# Altium PCB CAP_Group.PcbDoc (continued)
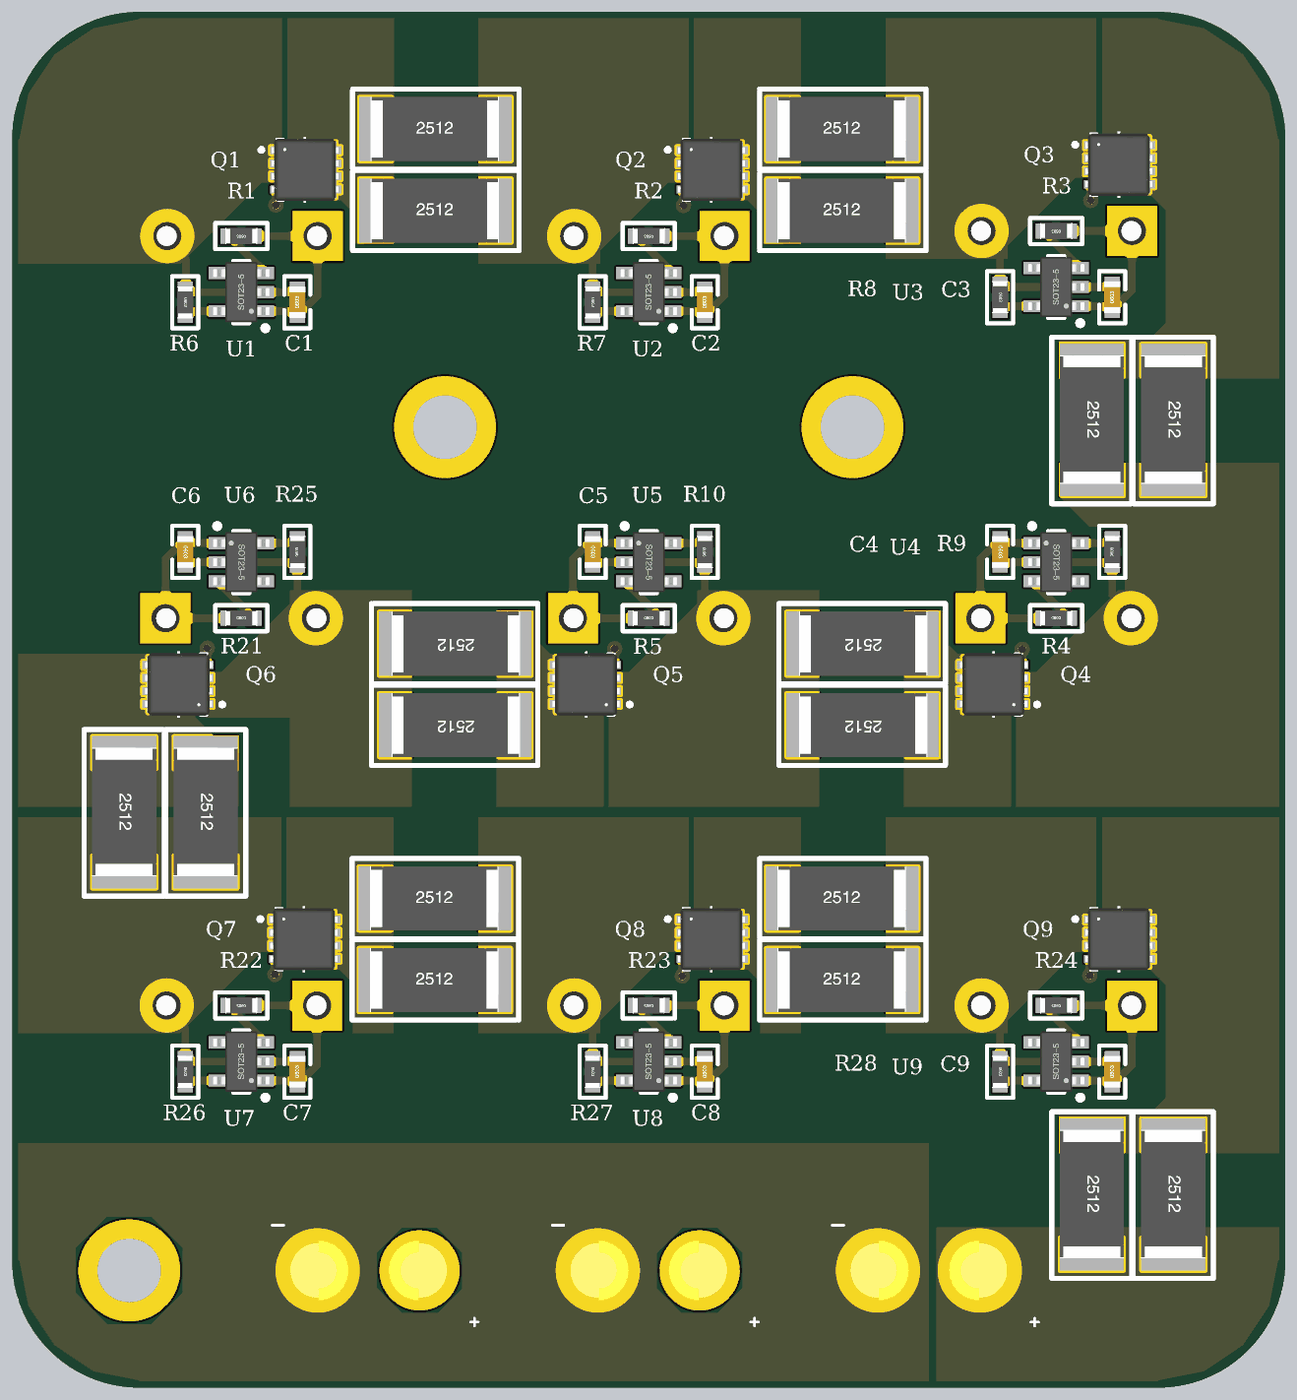
[diagram p5: 3D render of the assembled board from below, using the file's embedded part models]

## Layer stack, top to bottom
Top Solder: solder mask 0.4, Solder Resist, Dk 3.5
Top Layer: signal copper 1.4
Dielectric 2: prepreg 2.8, PP-006, Dk 4.1
VCC: plane copper 1.378
Dielectric 1: dielectric 12.6, FR-4, Dk 4.8
GND: plane copper 1.378
Dielectric 3: prepreg 2.8, PP-006, Dk 4.1
Bottom Layer: signal copper 1.4
Bottom Solder: solder mask 0.4, Solder Resist, Dk 3.5

## Board outline
0,250 ccw(c250,250) 250,0 2250,0 ccw(c2250,250) 2500,250 2500,2450 ccw(c2250,2450) 2250,2700 250,2700 ccw(c250,2450) 0,2450

## Design rules (kind name [scope] priority, off if disabled: settings)
BoardOutlineClearance [All] p1: gap=12 ignorepadtopadclearanceinfootprint=FALSE
Clearance [All] p1: gap=5 ignorepadtopadclearanceinfootprint=TRUE
DiffPairsRouting [All] p1: maxlimit=10 minlimit=3.5 mostfreqgap=5 toplayer_minwidth=3.5 toplayer_maxwidth=15 toplayer_prefwidth=5 bottomlayer_minwidth=3.5 bottomlayer_maxwidth=15 bottomlayer_prefwidth=5 maxuncoupledlength=300
HoleSize [All] p1: absolutevalues=TRUE maxlimit=248.03 minlimit=7.87 maxpercent=80.000 minpercent=20.000
MinimumAnnularRing [All] p1: minimumring=7.87
MinimumSolderMaskSliver [All] p1: minsoldermaskwidth=5.12
PermittedLayers [All] p1: toplayerpermitted=TRUE bottomlayerpermitted=TRUE
PlaneClearance [All] p1: clearance=6
PlaneConnect [All] p1: planeconnectstyle=Direct reliefexpansion=20 reliefentries=4 reliefconductorwidth=10 reliefairgap=10
PolygonConnect [All] p1: connectstyle=Direct reliefconductorwidth=10 reliefentries=4 polygonreliefangle="90 Angle" airgapwidth=10
RoutingVias [All] p1: holewidth=8 width=16 viastyle="Through Hole" minholewidth=7.87 minwidth=11.81 maxholewidth=28 maxwidth=50
SilkToSilkClearance [All] p1: silktosilkclearance=2
SilkToSolderMaskClearance [IsPad] p1: minsilkscreentomaskgap=5.91 clearancetoexposedcopper=TRUE
SolderMaskExpansion [All] p1: expansion=4 istentingtop=FALSE
UnRoutedNet [All] p1: checkbadconnections=TRUE
Width [All] p1: maxlimit=100 minlimit=3.5 preferedwidth=5 checkconnectedcopper=TRUE
22 further rules are at their usual default settings.

## Components (designator, comment, footprint, x,y, rotation, side; value= is the part's Value field where it differs from the comment)
C1 "100nF" C0603_L 1940,2130 r90 bottom
C2 "100nF" C0603_L 1140,2130 r90 bottom
C3 "100nF" C0603_L 340,2140 r90 bottom
C4 "100nF" C0603_L 560,1640 r270 bottom
C5 "100nF" C0603_L 1360,1640 r270 bottom
C6 "100nF" C0603_L 2160,1640 r270 bottom
C7 "100nF" C0603_L 1940,620 r90 bottom
C8 "100nF" C0603_L 1140,620 r90 bottom
C9 "100nF" C0603_L 340,620 r90 bottom
CapA "XT30" XT30-F 700,230 r0 top
CapB "XT30" XT30-F 1250,230 r0 top
CapC "XT30" XT30-F 1800,230 r0 top
CE1 "60F/2.7V" "CE-7.5*18*35.5 - BK" 2048.82,2260 r0 top
CE2 "60F/2.7V" "CE-7.5*18*35.5 - BK" 1250,2260 r0 top
CE3 "60F/2.7V" "CE-7.5*18*35.5 - BK" 450,2270 r0 top
CE4 "60F/2.7V" "CE-7.5*18*35.5 - BK" 450,1510 r180 top
CE5 "60F/2.7V" "CE-7.5*18*35.5 - BK" 1250,1510 r180 top
CE6 "60F/2.7V" "CE-7.5*18*35.5 - BK" 2050,1510 r180 top
CE7 "60F/2.7V" "CE-7.5*18*35.5 - BK" 2050,750 r0 top
CE8 "60F/2.7V" "CE-7.5*18*35.5 - BK" 1250,750 r0 top
CE9 "60F/2.7V" "CE-7.5*18*35.5 - BK" 450,750 r0 top
Q1 "AP2045Q" TDFN33-8 1920,2390 r270 bottom
Q2 "AP2045Q" TDFN33-8 1122,2390 r270 bottom
Q3 "AP2045Q" TDFN33-8 322,2400 r270 bottom
Q4 "AP2045Q" TDFN33-8 578,1380 r90 bottom
Q5 "AP2045Q" TDFN33-8 1378,1380 r90 bottom
Q6 "AP2045Q" TDFN33-8 2178,1380 r90 bottom
Q7 "AP2045Q" TDFN33-8 1922,880 r270 bottom
Q8 "AP2045Q" TDFN33-8 1122,880 r270 bottom
Q9 "AP2045Q" TDFN33-8 322,880 r270 bottom
R1 "1K" R0603_L 2050,2260 r0 bottom
R2 "1K" R0603_L 1250,2260 r0 bottom
R3 "1K" R0603_L 450,2270 r0 bottom
R4 "1K" R0603_L 450,1510 r180 bottom
R5 "1K" R0603_L 1250,1510 r180 bottom
R6 "1K" R0603_L 2160,2129.99 r270 bottom
R7 "1K" R0603_L 1360,2129.99 r270 bottom
R8 "1K" R0603_L 560,2139.99 r270 bottom
R9 "1K" R0603_L 340,1640.01 r90 bottom
R10 "1K" R0603_L 1140,1640.01 r90 bottom
R11 "10//10" R2512_L 1670,2470 r180 bottom
R12 "10//10" R2512_L 871,2470 r180 bottom
R13 "10//10" R2512_L 220,1900 r270 bottom
R14 "10//10" R2512_L 829,1300 r0 bottom
R15 "10//10" R2512_L 1629,1300 r0 bottom
R16 "10//10" R2512_L 1670,2310 r180 bottom
R17 "10//10" R2512_L 871,2310 r180 bottom
R18 "10//10" R2512_L 380,1900 r270 bottom
R19 "10//10" R2512_L 829,1460 r0 bottom
R20 "10//10" R2512_L 1629,1460 r0 bottom
R21 "1K" R0603_L 2050,1510 r180 bottom
R22 "1K" R0603_L 2050,750 r0 bottom
R23 "1K" R0603_L 1250,750 r0 bottom
R24 "1K" R0603_L 450,750 r0 bottom
R25 "1K" R0603_L 1940,1640.01 r90 bottom
R26 "1K" R0603_L 2160,619.99 r270 bottom
R27 "1K" R0603_L 1360,619.99 r270 bottom
R28 "1K" R0603_L 560,619.99 r270 bottom
R29 "10//10" R2512_L 2120,1130 r270 bottom
R30 "10//10" R2512_L 1671,960 r180 bottom
R31 "10//10" R2512_L 871,960 r180 bottom
R32 "10//10" R2512_L 220,380 r270 bottom
R33 "10//10" R2512_L 2280,1130 r270 bottom
R34 "10//10" R2512_L 1671,800 r180 bottom
R35 "10//10" R2512_L 871,800 r180 bottom
R36 "10//10" R2512_L 380,380 r270 bottom
SP1 "M3" "M3 125X200" 1650,1885 r0 top
SP2 "M3" "M3 125X200" 850,1885 r0 top
SP3 "M3" "M3 125X200" 2270,230 r0 top
U1 "BW6106" SOT23-5L 2050,2150 r0 bottom
U2 "BW6106" SOT23-5L 1250,2150 r0 bottom
U3 "BW6106" SOT23-5L 450,2160 r0 bottom
U4 "BW6106" SOT23-5L 450,1620 r180 bottom
U5 "BW6106" SOT23-5L 1250,1620 r180 bottom
U6 "BW6106" SOT23-5L 2050,1620 r180 bottom
U7 "BW6106" SOT23-5L 2050,640 r0 bottom
U8 "BW6106" SOT23-5L 1250,640 r0 bottom
U9 "BW6106" SOT23-5L 450,640 r0 bottom

## Footprints (in the part's own frame and the unit in brackets; to place one, negate y for a bottom-side part, rotate by r counter-clockwise, add the part's x,y. Pads: shape width x height; smd on the part's side, far side on the other; paste and mask are expansions set on the pad)
C0603_L [mil] "贴片MLCC电容"
  rect 30x30 smd: 1(-25.59,0) 2(25.59,0)
  silkscreen extent -51,-26 51,26, body extent -31,-16 32,16, height 33
"CE-7.5*18*35.5 - BK" [mm] "直插电解电容-脚距7.5mm直径18mm高度35.5mm"
  rect 2.5x2.5 hole 1.4: 1(-3.78,0)
  round 2.5 hole 1.4: 2(3.72,0)
  silkscreen extent -9.45,-9.21 9.45,9.18, body extent -9,-9 9.01,9, height 35.76
"M3 125X200" [mil] "M3螺丝孔，孔125Mil，焊盘200Mil"
  round 200 hole 125: 1(0,0)
R0603_L [mil] "1/10W贴片电阻"
  rect 30x30 smd: 1(-25.59,0) 2(25.59,0)
  silkscreen extent -51,-26 51,26, body extent -31,-16 32,16, height 16
R2512_L [mm] "1W贴片电阻                淘宝ID:黄晶宝石"
  rect 1.65x3.2 smd: 1(-2.95,0) 2(3,0)
  silkscreen extent -4.1,-2 4.2,2, body extent -3.2,-1.6 3.2,1.6, height 0.55
SOT23-5L [mm] "SOT23, 5-Leads, Body 2.9x1.6mm, Pitch 0.95mm, IPC High Density                联系卖家 免费查找封装"
  rect 0.85x0.6 smd: 1(-1.2,0.95) 2(-1.2,0) 3(-1.2,-0.95) 4(1.2,-0.95) 5(1.2,0.95)
  silkscreen extent -1.32,-1.55 0.4,1.92, body extent -1.4,-1.5 1.4,1.5, height 1.15
TDFN33-8 [mm]
  rect 0.4x0.6 smd: 1(-0.975,-1.563) 2(-0.325,-1.563) 3(0.325,-1.563) 4(0.975,-1.563)
  rect 0.4x0.25 smd: 5(0.975,1.563) 6(0.325,1.563) 7(-0.325,1.563) 8(-0.975,1.563)
  rect 2.85x2.35 smd: 9(0,0.262)
  silkscreen extent -1.55,-2.4 1.55,-1.2, body extent -1.65,-1.8 1.65,1.55, height 0.8
XT30-F [mm]
  round 4 hole 2.7: 1(-2.54,0) 2(2.54,0)
  silkscreen extent -5.1,-2.6 5.11,2.6, body extent -5.1,-2.6 5.1,2.6, height 9.4

## Part data
C1 C2 C3 C4 C5 C6 C7 C8 C9: library part C, "贴片电容", BOM名称=无极性贴片电容, 联系卖家，免费查找封装=唯一出售店铺网址https://shop463601444.taobao.com
CE1 CE2 CE3 CE4 CE5 CE6 CE7 CE8 CE9: library part CE, "直插电解电容", BOM名称=直插电解电容, 联系卖家，免费查找封装=唯一出售店铺网址https://shop463601444.taobao.com
Q1 Q2 Q3 Q4 Q5 Q6 Q7 Q8 Q9: "Trans MOSFET P-CH 20V 65A 8-Pin PDFN EP T/R", Arrow Part Number="TSM085P03CV RGG", Manufacturer_Name="Taiwan Semiconductor", Mouser Part Number=821-TSM085P03CVRGG, Arrow Price/Stock=https://www.arrow.com/en/products/tsm085p03cvrgg/taiwan-semiconductor, Datasheet Link="https://componentsearchengine.com/Datasheets/1/TSM085P03CV RGG.pdf", Geometry.Height=0.75mm, Manufacturer_Part_Number="TSM085P03CV RGG", Mouser Price/Stock=https://www.mouser.co.uk/ProductDetail/Taiwan-Semiconductor/TSM085P03CV-RGG?qs=4pzlT8jjbhd4XXSAn%252BJ6qw%3D%3D
R1 R2 R3 R4 R5 R6 R7 R8 R9 R10 R11 R12 R13 R14 R15 R16 R17 R18 R19 R20 R21 R22 R23 R24 R25 R26 R27 R28 R29 R30 R31 R32 R33 R34 R35 R36: library part R, "贴片电阻", BOM名称=贴片电阻, 联系卖家，免费查找封装=唯一出售店铺网址https://shop463601444.taobao.com
SP1 SP2 SP3: "铜柱孔", BOM名称=铜柱孔, 封装库来自淘宝卖家ID：黄晶宝石=其他店铺购入均为盗版假冒封装库，请立即申请退款, 联系卖家，免费查找封装=唯一出售店铺网址https://shop463601444.taobao.com
U1 U2 U3 U4 U5 U6 U7 U8 U9: "电容充电保护芯片"

## Via types
v1: diameter 30, hole 15, Top Layer to Bottom Layer, tented both sides, 18 vias

## Nets (pads, with @x,y where several pads share a name; then routed paths per layer and width w, separated by ;. In a path a pad name is that pad's centre, name@x,y a point inside that pad or via, vN(x,y) a via of type N, cw(c..) or ccw(c..) an arc to the next point about the centre after c; other vN are vias at no path point)
cap4: C5.1 C6.2 CE5.1 CE6.2 Q6.1 Q6.2 Q6.3 R5.1 R15.2 R20.2 R25.1 U5.1 U6.2 | length 705.2
  Bottom Layer w15: R5.1 CE5.1 1398.82,1626.78 C5.1 1351.81,1657.4 U5.1 ; CE6.2 1903.55,1519.62 1940,1556.08 R25.1 1945.59,1620 U6.2 2154.42,1620 C6.2
GND: C1.2 CapA.2 CapB.2 CapC.2 CE1.2 Q1.1 Q1.2 Q1.3 R6.1 U1.2 | length 344.1
  Bottom Layer w15: C1.2@1938.81,2155.58 1944.4,2150 2001.57,2150 2153.23,2150 2158.82,2155.58 2158.82,2213.92 2195.27,2250.38 CE1.2
NetC1_1: C1.1 C2.2 CE1.1 CE2.2 Q2.1 Q2.2 Q2.3 R1.1 R7.1 R11.2 R16.2 U1.1 U2.2 | length 705.2
  Bottom Layer w15: C2.2 1145.58,2150 U2.2 1354.41,2150 R7.1 1360,2213.92 1396.45,2250.38 CE2.2 ; U1.1@2001.57,2112.6 1947,2112.6 1938.81,2104.4 1900,2143.22 CE1.1 R1.1@2023.22,2260
NetC2_1: C2.1 C3.2 CE2.1 CE3.2 Q3.1 Q3.2 Q3.3 R2.1 R8.1 R12.2 R17.2 U2.1 U3.2 | length 705.2
  Bottom Layer w15: C3.2 345.58,2160 U3.2 554.42,2160 R8.1 560,2223.93 596.46,2260.38 CE3.2 ; U2.1 1148.19,2112.6 C2.1 1101.18,2143.22 CE2.1 R2.1
NetC3_1: C3.1 C4.2 CE3.1 CE4.2 Q4.1 Q4.2 Q4.3 R3.1 R9.1 R13.2 R18.2 U3.1 U4.2 | length 705.2
  Bottom Layer w15: CE4.2 303.55,1519.62 340,1556.08 R9.1 345.59,1620 U4.2 554.42,1620 C4.2 ; U3.1 348.19,2122.6 C3.1 301.18,2153.22 CE3.1 R3.1
NetC4_1: C4.1 C5.2 CE4.1 CE5.2 Q5.1 Q5.2 Q5.3 R4.1 R10.1 R14.2 R19.2 U4.1 U5.2 | length 705.2
  Bottom Layer w15: R4.1 CE4.1 598.82,1626.78 C4.1 551.81,1657.4 U4.1 ; CE5.2 1103.55,1519.62 1140,1556.08 R10.1 1145.59,1620 U5.2 1354.42,1620 C5.2
NetC6_1: C6.1 C7.2 CE6.1 CE7.2 Q7.1 Q7.2 Q7.3 R21.1 R26.1 R29.2 R33.2 U6.1 U7.2 | length 705.2
  Bottom Layer w15: C7.2 1945.58,640 U7.2 2154.41,640 R26.1 2160,703.92 2196.45,740.38 CE7.2 ; R21.1 CE6.1 2198.82,1626.78 C6.1 2151.81,1657.4 U6.1
NetC7_1: C7.1 C8.2 CE7.1 CE8.2 Q8.1 Q8.2 Q8.3 R22.1 R27.1 R30.2 R34.2 U7.1 U8.2 | length 705.2
  Bottom Layer w15: C8.2 1145.58,640 U8.2 1354.41,640 R27.1 1360,703.92 1396.45,740.38 CE8.2 ; U7.1 1948.19,602.6 C7.1 1901.18,633.22 CE7.1 R22.1
NetC8_1: C8.1 C9.2 CE8.1 CE9.2 Q9.1 Q9.2 Q9.3 R23.1 R28.1 R31.2 R35.2 U8.1 U9.2 | length 705.2
  Bottom Layer w15: C9.2 345.58,640 U9.2 554.41,640 R28.1 560,703.92 596.45,740.38 CE9.2 ; U8.1 1148.19,602.6 C8.1 1101.18,633.22 CE8.1 R23.1
NetQ1_4: Q1.4 R6.2 U1.5 | length 446.1
  Top Layer w15: v1(1982,2321) 2051.22,2251.78 v1(2051.22,2112.6)
  Bottom Layer w15: Q1.4@1980.35,2351.61 1981.39,2351.61 1981.77,2351.24 1981.77,2321.23 v1(1982,2321) ; v1(2051.22,2112.6) R6.2@2150.63,2112.6 ; U1.5@2096.06,2112.6 R6.2@2150.63,2112.6 ; R6.2@2150.63,2112.6 2158.82,2104.41 R6.2@2150.63,2112.6
NetQ1_5: Q1.5 Q1.6 Q1.7 Q1.8 Q1.9 R11.1 R16.1
NetQ2_4: Q2.4 R7.2 U2.5 | length 445.5
  Top Layer w15: v1(1181.77,2320.23) 1252.4,2249.6 v1(1252.4,2112.6)
  Bottom Layer w15: Q2.4@1181.54,2351.61 1181.77,2351.38 v1(1181.77,2320.23) ; v1(1252.4,2112.6) R7.2@1351.81,2112.6 ; U2.5 R7.2@1351.81,2112.6 ; R7.2@1351.81,2112.6 R7.2 R7.2@1351.81,2112.6
NetQ2_5: Q2.5 Q2.6 Q2.7 Q2.8 Q2.9 R12.1 R17.1
NetQ3_4: Q3.4 R8.2 U3.5 | length 379.4
  Top Layer w15: v1(382,2330) 452.4,2259.6 v1(452.4,2122.6)
  Bottom Layer w15: Q3.4@381.54,2361.61 381.77,2361.38 381.77,2330.23 v1(382,2330) ; v1(452.4,2122.6) 551.81,2122.6 R8.2
NetQ3_5: Q3.5 Q3.6 Q3.7 Q3.8 Q3.9 R13.1 R18.1
NetQ4_4: Q4.4 R9.2 U4.5 | length 446.9
  Top Layer w15: v1(447.6,1657.4) 447.6,1518.4 v1(517,1449)
  Bottom Layer w15: U4.5 R9.2@348.19,1657.4 ; v1(447.6,1657.4) R9.2@348.19,1657.4 ; v1(517,1449) 516.73,1448.73 516.73,1418.76 517.1,1418.39 Q4.4@518.86,1418.39 ; R9.2@348.19,1657.4 R9.2 R9.2@348.19,1657.4
NetQ4_5: Q4.5 Q4.6 Q4.7 Q4.8 Q4.9 R14.1 R19.1
NetQ5_4: Q5.4 R10.2 U5.5 | length 446.9
  Top Layer w15: v1(1247.6,1657.4) 1247.6,1519.4 v1(1317,1450)
  Bottom Layer w15: U5.5 R10.2@1148.19,1657.4 ; v1(1247.6,1657.4) R10.2@1148.19,1657.4 ; v1(1317,1450) 1316.73,1449.73 1316.73,1418.76 1317.11,1418.39 Q5.4@1318.86,1418.39 ; R10.2@1148.19,1657.4 R10.2 R10.2@1148.19,1657.4
NetQ5_5: Q5.5 Q5.6 Q5.7 Q5.8 Q5.9 R15.1 R20.1
NetQ6_4: Q6.4 R25.2 U6.5 | length 446.6
  Top Layer w15: v1(2047.6,1657.4) 2047.6,1520.4 v1(2117,1451)
  Bottom Layer w15: U6.5 R25.2@1948.19,1657.4 ; v1(2047.6,1657.4) R25.2@1948.19,1657.4 ; v1(2117,1451) 2117,1418.76 2117.37,1418.39 Q6.4@2118.86,1418.39 ; R25.2@1948.19,1657.4 R25.2 R25.2@1948.19,1657.4
NetQ6_5: Q6.5 Q6.6 Q6.7 Q6.8 Q6.9 R29.1 R33.1
NetQ7_4: Q7.4 R26.2 U7.5 | length 446.6
  Top Layer w15: v1(1984,811) 2052.4,742.6 v1(2052.4,602.6)
  Bottom Layer w15: Q7.4@1981.54,841.61 1983.39,841.61 1983.77,841.24 1983.77,811.23 v1(1984,811) ; v1(2052.4,602.6) R26.2@2151.81,602.6 ; U7.5 R26.2@2151.81,602.6 ; R26.2@2151.81,602.6 R26.2 R26.2@2151.81,602.6
NetQ7_5: Q7.5 Q7.6 Q7.7 Q7.8 Q7.9 R30.1 R34.1
NetQ8_4: Q8.4 R27.2 U8.5 | length 391.2
  Top Layer w15: v1(1184,808) 1246.22,745.78 v1(1246.22,602.6)
  Bottom Layer w15: Q8.4 1183.63,841.61 1184,841.24 v1(1184,808) ; v1(1246.22,602.6) R27.2@1351.81,602.6 ; R27.2@1353.82,594.41 1353.82,600.59 R27.2@1351.81,602.6 ; R27.2 R27.2@1351.81,602.6
NetQ8_5: Q8.5 Q8.6 Q8.7 Q8.8 Q8.9 R31.1 R35.1
NetQ9_4: Q9.4 R28.2 U9.5 | length 446.7
  Top Layer w15: v1(384,809) 452.4,740.6 v1(452.4,602.6)
  Bottom Layer w15: Q9.4@381.54,841.61 383.63,841.61 384,841.24 v1(384,809) ; v1(452.4,602.6) R28.2@551.81,602.6 ; U9.5 R28.2@551.81,602.6 ; R28.2@551.81,602.6 R28.2 R28.2@551.81,602.6
NetQ9_5: Q9.5 Q9.6 Q9.7 Q9.8 Q9.9 R32.1 R36.1
NetR1_2: R1.2 U1.3 | length 105.7
  Bottom Layer w15: U1.3@2001.57,2187.4 2006.49,2187.4 2008.3,2189.21 2008.3,2193.9 2044.4,2230 ; 2044.44,2230 2053.22,2238.79 R1.2@2074.4,2260
NetR2_2: R2.2 U2.3 | length 105.7
  Bottom Layer w15: U2.3 1207.67,2187.4 1209.49,2189.21 1209.49,2193.9 1245.58,2230 1254.4,2238.79 R2.2
NetR3_2: R3.2 U3.3 | length 105.7
  Bottom Layer w15: U3.3 407.68,2197.4 409.49,2199.21 409.49,2203.9 445.59,2240 454.41,2248.79 R3.2
NetR4_2: R4.2 U4.3 | length 105.7
  Bottom Layer w15: R4.2 445.6,1531.18 454.38,1540 490.51,1576.1 490.51,1580.79 492.33,1582.6 U4.3
NetR5_2: R5.2 U5.3 | length 105.7
  Bottom Layer w15: R5.2 1245.6,1531.18 1254.38,1540 1290.51,1576.1 1290.51,1580.79 1292.33,1582.6 U5.3
NetR21_2: R21.2 U6.3 | length 105.7
  Bottom Layer w15: R21.2 2045.6,1531.18 2054.38,1540 2090.51,1576.1 2090.51,1580.79 2092.33,1582.6 U6.3
NetR22_2: R22.2 U7.3 | length 105.7
  Bottom Layer w15: U7.3 2007.67,677.4 2009.49,679.21 2009.49,683.9 2045.58,720 2054.4,728.79 R22.2
NetR23_2: R23.2 U8.3 | length 105.7
  Bottom Layer w15: U8.3 1207.67,677.4 1209.49,679.21 1209.49,683.9 1245.58,720 1254.4,728.79 R23.2
NetR24_2: R24.2 U9.3 | length 105.7
  Bottom Layer w15: U9.3 407.67,677.4 409.49,679.21 409.49,683.9 445.58,720 454.4,728.79 R24.2
V_Capin: C9.1 CapA.1 CapB.1 CapC.1 CE9.1 R24.1 R32.2 R36.2 U9.1 | length 361.1
  Bottom Layer w15: U9.1 348.19,602.6 C9.1 301.18,633.22 CE9.1 R24.1
pads on no net: SP1.1 SP2.1 SP3.1 U1.4 U2.4 U3.4 U4.4 U5.4 U6.4 U7.4 U8.4 U9.4

## Polygon pours and split planes (outlines as drawn)
GND on Bottom Layer "NONET_L-01_P-001" (solid, remove dead copper, pour order 42): 700,480 700,-50 2540,-50 2540,480
NetQ7_5 on Bottom Layer "NONET_L-01_P-001" (solid, remove dead copper, pour order 18): 1751.18,1120 1751.18,695 1831.18,695 1831.18,795 1856.18,820 1961.18,820 1961.18,1120
V_Capin on Bottom Layer "NONET_L-01_P-001" (solid, remove dead copper, pour order 31): -240,315 -240,-120 685,-120 685,315
NetQ9_5 on Bottom Layer "NONET_L-01_P-001" (solid, remove dead copper, pour order 30): 359.99,1120 359.99,819.99 264.99,819.99 234.99,789.99 234.99,569.99 264.99,539.99 444.99,539.99 444.99,459.99 -100,459.99 -100,1120
NetC6_1 on Bottom Layer "NONET_L-01_P-001" (solid, remove dead copper, pour order 29): 2055,1120 2055,815 2175,695 2705,695 2705,1120
NetQ6_5 on Bottom Layer "NONET_L-01_P-001" (solid, remove dead copper, pour order 28): 2140,1440 2140,1315 2105,1280 2055,1280 2055,1140 2595,1140 2595,1440
NetQ3_5 on Bottom Layer "NONET_L-01_P-001" (solid, remove dead copper, pour order 27): 360,2765 360,2340 265,2340 235,2310 235,2090 265,2060 445,2060 445,1980 -100,1980 -100,2765
NetC3_1 on Bottom Layer "NONET_L-01_P-001" (solid, remove dead copper, pour order 26): -130,1815 445,1815 445,1750 385,1690 315,1690 315,1140 -130,1140
NetC8_1 on Bottom Layer "NONET_L-01_P-001" (solid, remove dead copper, pour order 25): 371.18,1120 371.18,855 411.18,855 571.18,695 651.18,695 651.18,1120
NetC8_1 on Bottom Layer "NONET_L-01_P-001" (solid, remove dead copper, pour order 23): 545,1120 545,695 785,695 785,1120
NetC7_1 on Bottom Layer "NONET_L-01_P-001" (solid, remove dead copper, pour order 22): 1171.18,1120 1171.18,855 1211.18,855 1371.18,695 1451.18,695 1451.18,1120
NetQ8_5 on Bottom Layer "NONET_L-01_P-001" (solid, remove dead copper, pour order 21): 951.18,1120 951.18,695 1031.18,695 1031.18,795 1056.18,820 1161.18,820 1161.18,1120
NetC7_1 on Bottom Layer "NONET_L-01_P-001" (solid, remove dead copper, pour order 20): 1345,1120 1345,695 1585,695 1585,1120
NetC6_1 on Bottom Layer "NONET_L-01_P-001" (solid, remove dead copper, pour order 19): 1971.18,1120 1971.18,855 2011.18,855 2171.18,695 2251.18,695 2251.18,1120
cap4 on Bottom Layer "NONET_L-01_P-001" (solid, remove dead copper, pour order 16): 2128.82,1315 2128.82,1405 2088.82,1405 1928.82,1565 1848.82,1565 1848.82,1315
cap4 on Bottom Layer "NONET_L-01_P-001" (solid, remove dead copper, pour order 14): 1955,1140 1955,1565 1715,1565 1715,1140
NetC4_1 on Bottom Layer "NONET_L-01_P-001" (solid, remove dead copper, pour order 13): 1328.82,1140 1328.82,1405 1288.82,1405 1128.82,1565 1048.82,1565 1048.82,1140
NetQ5_5 on Bottom Layer "NONET_L-01_P-001" (solid, remove dead copper, pour order 12): 1548.82,1140 1548.82,1525 1468.82,1525 1468.82,1465 1443.82,1440 1338.82,1440 1338.82,1140
NetC4_1 on Bottom Layer "NONET_L-01_P-001" (solid, remove dead copper, pour order 11): 1155,1140 1155,1565 915,1565 915,1140
NetC3_1 on Bottom Layer "NONET_L-01_P-001" (solid, remove dead copper, pour order 10): 528.82,1140 528.82,1405 488.82,1405 328.82,1565 248.82,1565 248.82,1140
NetQ4_5 on Bottom Layer "NONET_L-01_P-001" (solid, remove dead copper, pour order 9): 748.82,1140 748.82,1525 668.82,1525 668.82,1465 643.82,1440 538.82,1440 538.82,1140
NetC2_1 on Bottom Layer "NONET_L-01_P-001" (solid, remove dead copper, pour order 7): 371.19,2775 371.19,2375.01 411.19,2375.01 571.19,2215.01 651.19,2215.01 651.19,2775
NetC2_1 on Bottom Layer "NONET_L-01_P-001" (solid, remove dead copper, pour order 5): 545.01,2765 545.01,2215.01 785.01,2215.01 785.01,2765
NetC1_1 on Bottom Layer "NONET_L-01_P-001" (solid, remove dead copper, pour order 4): 1171.18,2785 1171.18,2365 1211.18,2365 1371.18,2205 1451.18,2205 1451.18,2785
NetQ2_5 on Bottom Layer "NONET_L-01_P-001" (solid, remove dead copper, pour order 3): 951.18,2800 951.18,2245 1031.18,2245 1031.18,2305 1056.18,2330 1161.18,2330 1161.18,2800
NetC1_1 on Bottom Layer "NONET_L-01_P-001" (solid, remove dead copper, pour order 2): 1345,2805 1345,2205 1585,2205 1585,2805
GND on Bottom Layer "NONET_L-01_P-001" (solid, remove dead copper, pour order 1): 1970,2785 1970,2365 2010,2365 2170,2205 2585,2205 2585,2785
NetQ1_5 on Bottom Layer "NONET_L-01_P-001" (solid, remove dead copper, pour order 0): 1750,2860 1750,2245 1830,2245 1830,2305 1855,2330 1960,2330 1960,2860
V_Capin on Top Layer "NONET_L-01_P-001" (solid, remove dead copper, pour order 41): 0,480 2540,480 2540,-40 0,-40
NetC4_1 on Top Layer "NONET_L-01_P-001" (solid, remove dead copper, pour order 36): 542.36,1140 1157.36,1140 1157.36,1740 542.36,1740
NetC8_1 on Top Layer "NONET_L-01_P-001" (solid, remove dead copper, pour order 33): 540,510 1155,510 1155,1120 540,1120
NetC3_1 on Top Layer "NONET_L-01_P-001" (solid, remove dead copper, pour order 40): 360,1140 360,2810 -102.64,2810 -102.64,1140
NetC6_1 on Top Layer "NONET_L-01_P-001" (solid, remove dead copper, pour order 39): 2140,2760 2140,510 2605,510 2605,2760
NetC1_1 on Top Layer "NONET_L-01_P-001" (solid, remove dead copper, pour order 38): 1340,2025 1955,2025 1955,2860 1340,2860
NetC2_1 on Top Layer "NONET_L-01_P-001" (solid, remove dead copper, pour order 37): 540,2035 1155,2035 1155,2810 540,2810
cap4 on Top Layer "NONET_L-01_P-001" (solid, remove dead copper, pour order 35): 1342.36,1140 1957.36,1140 1957.36,1740 1342.36,1740
NetC7_1 on Top Layer "NONET_L-01_P-001" (solid, remove dead copper, pour order 34): 1340,510 1955,510 1955,1120 1340,1120
V_Capin on Top Layer "NONET_L-01_P-001" (solid, remove dead copper, pour order 32): -30,1120 360,1120 360,660 685,335 685,-45 -30,-45
V_Capin on GND (split plane): 446.18,580 446.47,578.54 447.3,577.3 686.18,338.42 686.18,20.1 250,20.1 249.31,20.03 237.1,20.37 224.25,21.46 211.48,23.26 198.82,25.78 186.33,29 174.04,32.92 161.99,37.52 150.21,42.79 138.75,48.71 127.64,55.26 116.91,62.43 106.6,70.19 96.75,78.51 87.37,87.37 78.51,96.75 70.19,106.6 62.43,116.91 55.26,127.64 48.71,138.75 42.79,150.21 37.52,161.99 32.92,174.04 29,186.33 25.78,198.82 23.26,211.48 21.46,224.25 20.37,237.1 20.03,249.31 20.1,250 20.1,1126.18 446.18,1126.18
NetC8_1 on GND (split plane): 1246.18,343.82 691.58,343.82 453.82,581.58 453.82,1126.18 1246.18,1126.18
NetC3_1 on GND (split plane): 250,2679.9 446.18,2679.9 446.18,1880 446.18,1133.82 20.1,1133.82 20.1,2450 20.03,2450.69 20.37,2462.9 21.46,2475.75 23.26,2488.52 25.78,2501.18 29,2513.67 32.92,2525.96 37.52,2538.01 42.79,2549.79 48.71,2561.25 55.26,2572.36 62.43,2583.09 70.19,2593.4 78.51,2603.25 87.37,2612.63 96.75,2621.49 106.6,2629.81 116.91,2637.57 127.64,2644.74 138.75,2651.29 150.21,2657.21 161.99,2662.48 174.04,2667.08 186.33,2671 198.82,2674.22 211.48,2676.74 224.25,2678.54 237.1,2679.63 249.31,2679.97
NetC4_1 on GND (split plane): 1246.18,1133.82 453.82,1133.82 453.82,1876.18 1246.18,1876.18
NetC2_1 on GND (split plane): 1246.18,1883.82 453.82,1883.82 453.82,2679.9 1246.18,2679.9
NetC7_1 on GND (split plane): 2046.18,343.82 1253.82,343.82 1253.82,1126.18 2046.18,1126.18
GND on GND (split plane): 2262.9,2679.63 2275.75,2678.54 2288.52,2676.74 2301.18,2674.22 2313.67,2671 2325.96,2667.08 2338.01,2662.48 2349.79,2657.21 2361.25,2651.29 2372.36,2644.74 2383.09,2637.57 2393.4,2629.81 2403.25,2621.49 2412.63,2612.63 2421.49,2603.25 2429.81,2593.4 2437.57,2583.09 2444.74,2572.36 2451.29,2561.25 2457.21,2549.79 2462.48,2538.01 2467.08,2525.96 2471,2513.67 2474.22,2501.18 2476.74,2488.52 2478.54,2475.75 2479.63,2462.9 2479.97,2450.69 2479.9,2450 2479.9,250 2479.97,249.31 2479.63,237.1 2478.54,224.25 2476.74,211.48 2474.22,198.82 2471,186.33 2467.08,174.04 2462.48,161.99 2457.21,150.21 2451.29,138.75 2444.74,127.64 2437.57,116.91 2429.81,106.6 2421.49,96.75 2412.63,87.37 2403.25,78.51 2393.4,70.19 2383.09,62.43 2372.36,55.26 2361.25,48.71 2349.79,42.79 2338.01,37.52 2325.96,32.92 2313.67,29 2301.18,25.78 2288.52,23.26 2275.75,21.46 2262.9,20.37 2250.69,20.03 2250,20.1 693.82,20.1 693.82,336.18 2080,336.18 2081.46,336.47 2082.7,337.3 2242.7,497.3 2243.53,498.54 2243.82,500 2243.82,1530 2243.53,1531.46 2242.7,1532.7 2053.82,1721.58 2053.82,1880 2053.82,2679.9 2250,2679.9 2250.69,2679.97
NetC1_1 on GND (split plane): 2046.18,1883.82 1253.82,1883.82 1253.82,2679.9 2046.18,2679.9
NetC6_1 on GND (split plane): 2236.18,1528.42 2236.18,501.58 2078.42,343.82 2053.82,343.82 2053.82,1130 2053.82,1710.77
cap4 on GND (split plane): 2046.18,1720 2046.18,1133.82 1253.82,1133.82 1253.82,1876.18 2046.18,1876.18
NetC8_1 on VCC (split plane): 1246.18,343.82 771.58,343.82 453.82,661.58 453.82,1126.18 1246.18,1126.18
V_Capin on VCC (split plane): 446.18,660 446.47,658.54 447.3,657.3 767.3,337.3 768.54,336.47 770,336.18 2479.9,336.18 2479.9,250 2479.97,249.31 2479.63,237.1 2478.54,224.25 2476.74,211.48 2474.22,198.82 2471,186.33 2467.08,174.04 2462.48,161.99 2457.21,150.21 2451.29,138.75 2444.74,127.64 2437.57,116.91 2429.81,106.6 2421.49,96.75 2412.63,87.37 2403.25,78.51 2393.4,70.19 2383.09,62.43 2372.36,55.26 2361.25,48.71 2349.79,42.79 2338.01,37.52 2325.96,32.92 2313.67,29 2301.18,25.78 2288.52,23.26 2275.75,21.46 2262.9,20.37 2250.69,20.03 2250,20.1 250,20.1 249.31,20.03 237.1,20.37 224.25,21.46 211.48,23.26 198.82,25.78 186.33,29 174.04,32.92 161.99,37.52 150.21,42.79 138.75,48.71 127.64,55.26 116.91,62.43 106.6,70.19 96.75,78.51 87.37,87.37 78.51,96.75 70.19,106.6 62.43,116.91 55.26,127.64 48.71,138.75 42.79,150.21 37.52,161.99 32.92,174.04 29,186.33 25.78,198.82 23.26,211.48 21.46,224.25 20.37,237.1 20.03,249.31 20.1,250 20.1,1126.18 446.18,1126.18
NetC3_1 on VCC (split plane): 250,2679.9 446.18,2679.9 446.18,1880 446.18,1133.82 20.1,1133.82 20.1,2450 20.03,2450.69 20.37,2462.9 21.46,2475.75 23.26,2488.52 25.78,2501.18 29,2513.67 32.92,2525.96 37.52,2538.01 42.79,2549.79 48.71,2561.25 55.26,2572.36 62.43,2583.09 70.19,2593.4 78.51,2603.25 87.37,2612.63 96.75,2621.49 106.6,2629.81 116.91,2637.57 127.64,2644.74 138.75,2651.29 150.21,2657.21 161.99,2662.48 174.04,2667.08 186.33,2671 198.82,2674.22 211.48,2676.74 224.25,2678.54 237.1,2679.63 249.31,2679.97
NetC4_1 on VCC (split plane): 1246.18,1133.82 453.82,1133.82 453.82,1876.18 1246.18,1876.18
NetC7_1 on VCC (split plane): 2046.18,343.82 1253.82,343.82 1253.82,1126.18 2046.18,1126.18
NetC6_1 on VCC (split plane): 2479.9,343.82 2053.82,343.82 2053.82,1130 2053.82,1876.18 2479.9,1876.18
NetC2_1 on VCC (split plane): 1246.18,1883.82 453.82,1883.82 453.82,2679.9 1246.18,2679.9
cap4 on VCC (split plane): 2046.18,1133.82 1253.82,1133.82 1253.82,1876.18 2046.18,1876.18
NetC1_1 on VCC (split plane): 2262.9,2679.63 2275.75,2678.54 2288.52,2676.74 2301.18,2674.22 2313.67,2671 2325.96,2667.08 2338.01,2662.48 2349.79,2657.21 2361.25,2651.29 2372.36,2644.74 2383.09,2637.57 2393.4,2629.81 2403.25,2621.49 2412.63,2612.63 2421.49,2603.25 2429.81,2593.4 2437.57,2583.09 2444.74,2572.36 2451.29,2561.25 2457.21,2549.79 2462.48,2538.01 2467.08,2525.96 2471,2513.67 2474.22,2501.18 2476.74,2488.52 2478.54,2475.75 2479.63,2462.9 2479.97,2450.69 2479.9,2450 2479.9,1883.82 1253.82,1883.82 1253.82,2679.9 2250,2679.9 2250.69,2679.97

## Keep-outs
Keep-Out Layer:
  the board outline again, w7.5

## Other copper
VCC (plane layer: these items are gaps in the copper):
  lines w7.5: 0,1130 1250,1130 ; 450,2700 450,1880 ; 1250,340 1250,1130 ; 1250,2700 1250,1880 ; 2050,340 2050,1130 ; 2500,340 770,340 450,660 450,1130 450,1880 ; 2500,1880 2050,1880 ; 450,1880 1250,1880 ; 1250,1130 2050,1130 ; 1250,1130 1250,1880 ; 1250,1880 2050,1880 ; 2050,1130 2050,1880
GND (plane layer: these items are gaps in the copper):
  lines w7.5: 0,1130 1250,1130 ; 450,2700 450,1880 ; 690,0 690,340 ; 1250,340 1250,1130 ; 1250,2700 1250,1880 ; 2050,340 2050,1130 ; 2050,2710 2050,1720 2240,1530 2240,500 2080,340 690,340 ; 450,1880 450,1130 450,580 690,340 ; 450,1880 1250,1880 ; 1250,1130 2050,1130 ; 1250,1130 1250,1880 ; 1250,1880 2050,1880 2050,1130

## Silkscreen, mask and mechanical layers (free items; w line width, h text height)
Top Overlay:
  drawing of 139 lines, arcs and shapes, not listed
  text "CAP_Group" at 2449.74,170.06 h80 r90
  text "山海机甲" at 143.55,110.07 h100 r90
  text "By Sirius_P" at 1970,85.18 h60
  text "V1.0" at 1970,21.33 h60

## Text inside footprints (layer, text, board x,y; h text height)
CapA: Top Overlay "-" at 880,307 h30; Bottom Overlay "-" at 900,307 h30; Bottom Overlay "+" at 507.89,120.76 h20
CapB: Top Overlay "-" at 1430,307 h30; Bottom Overlay "-" at 1450,307 h30; Bottom Overlay "+" at 1057.89,120.76 h20
CapC: Top Overlay "-" at 1980,307 h30; Bottom Overlay "-" at 2000,307 h30; Bottom Overlay "+" at 1607.89,120.76 h20